# Altium PCB tester.PcbDoc (part 1 of 2) (continued)
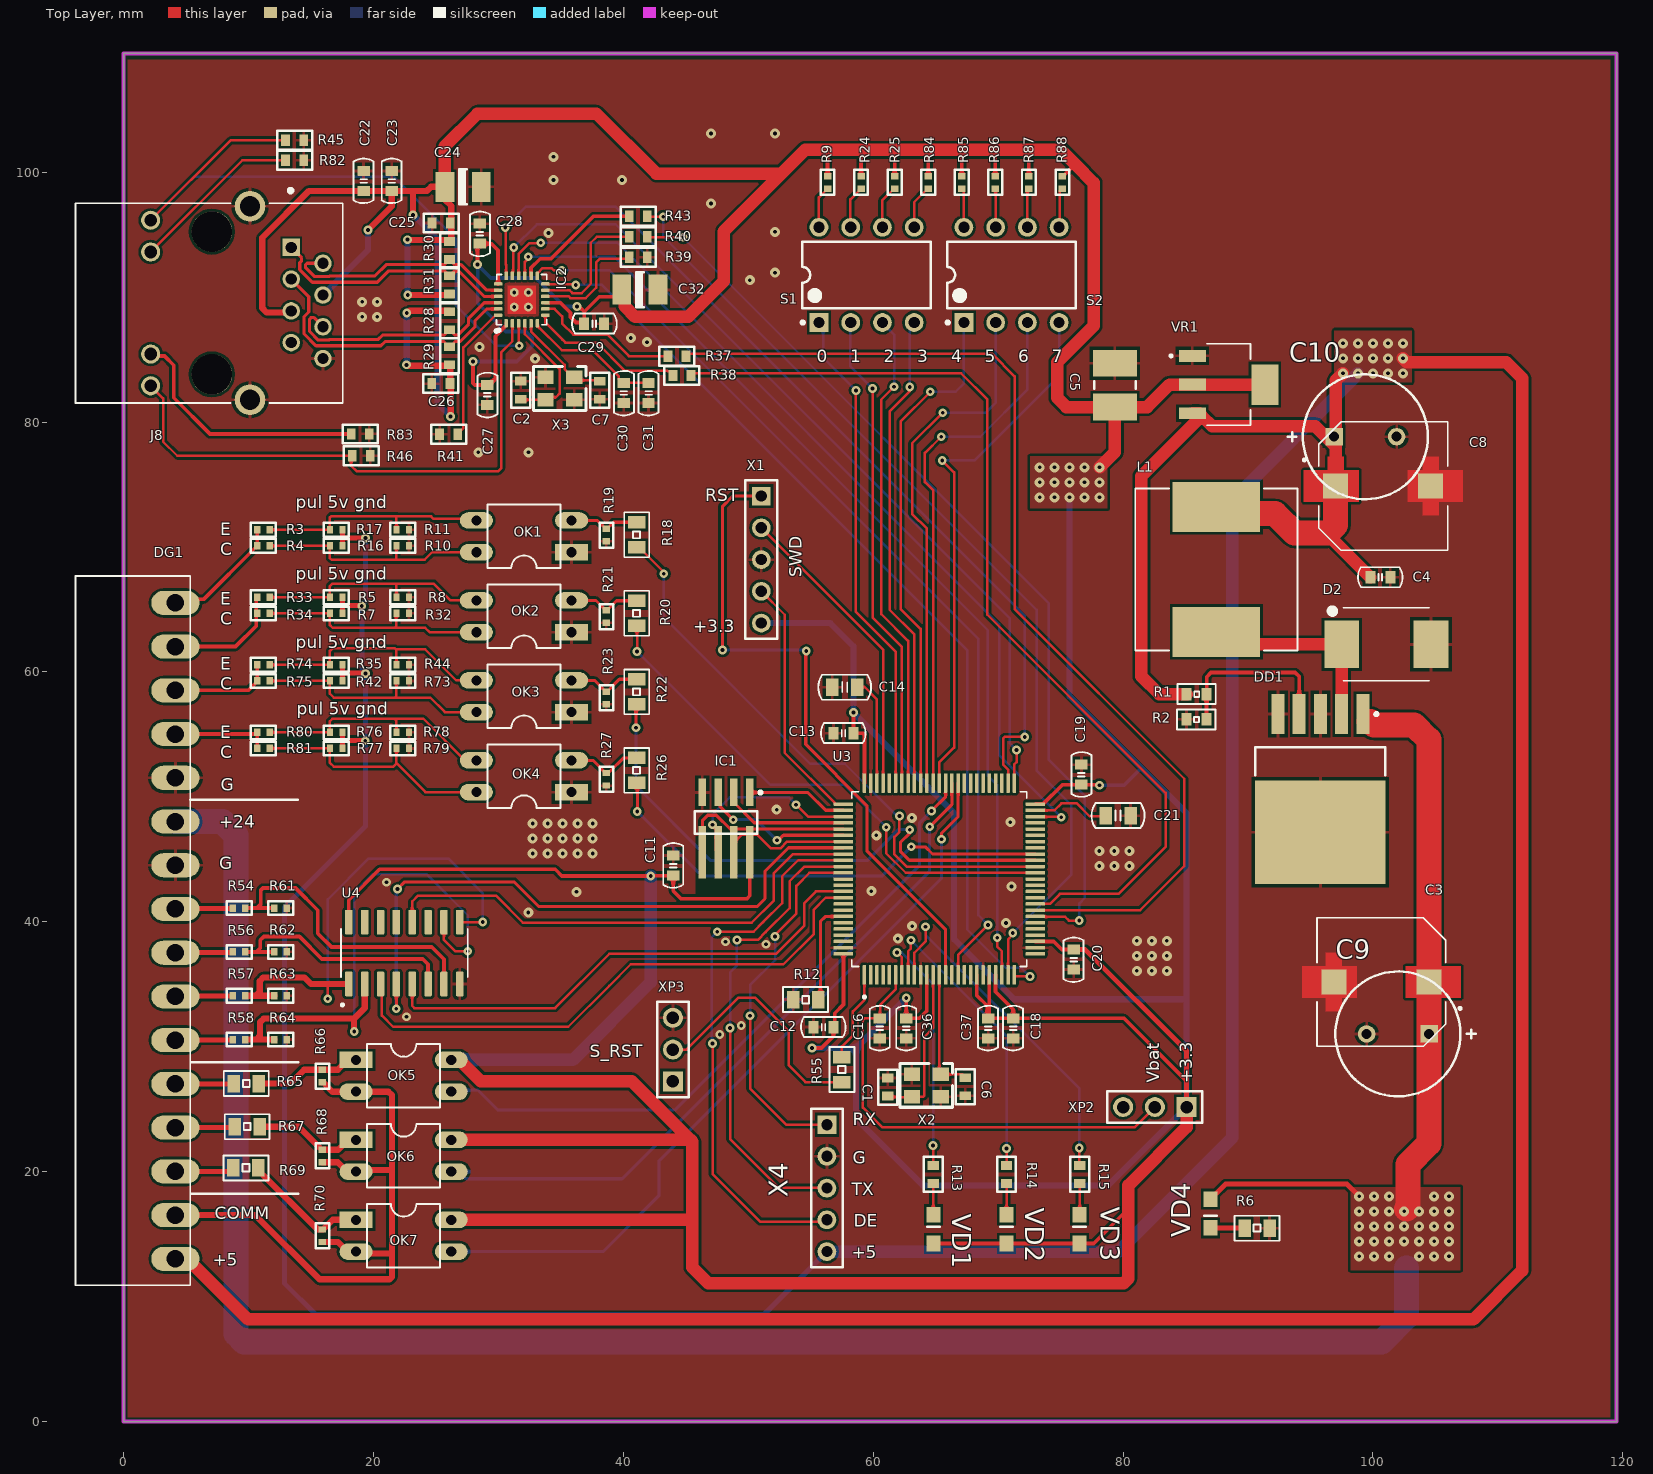
[diagram p0: Top Layer view]
## Components (designator, comment, footprint, x,y, rotation, side; value= is the part's Value field where it differs from the comment) (continued)
R4 "NC" "Resistor 0402" 10.7,70.089 r0 top
R5 "NC" "Resistor 0402" 17.525,65.97 r180 top
R6 "10 k" "Resistor 0805" 89.725,15.475 r0 top
R7 "0 R" "Resistor 0402" 17.525,64.684 r180 top
R8 "3,9 k" "Resistor 0402" 22.85,65.97 r180 top
R9 "10 k" "Resistor 0402" 56.35,99.675 r270 top
R10 "NC" "Resistor 0402" 22.85,70.089 r180 top
R11 "3,9 k" "Resistor 0402" 22.85,71.375 r180 top
R12 "510 R" "Resistor 0805" 55.6,33.775 r180 top
R13 "3 k" RESCHIP0603 64.813,19.775 r270 top
R14 "3 k" RESCHIP0603 70.675,19.775 r270 top
R15 "3 k" RESCHIP0603 76.538,19.775 r270 top
R16 "0 R" "Resistor 0402" 17.525,70.089 r180 top
R17 "NC" "Resistor 0402" 17.525,71.375 r180 top
R18 "100 R" "Resistor 0805" 41.075,69.975 r90 top
R19 "10 k" "Resistor 0402" 38.65,71.45 r270 top
R20 "100 R" "Resistor 0805" 41.075,63.692 r90 top
R21 "10 k" "Resistor 0402" 38.65,64.933 r270 top
R22 "100 R" "Resistor 0805" 41.075,57.408 r90 top
R23 "10 k" "Resistor 0402" 38.65,58.417 r270 top
R24 "10 k" "Resistor 0402" 59.036,99.675 r270 top
R25 "10 k" "Resistor 0402" 61.721,99.675 r270 top
R26 "100 R" "Resistor 0805" 41.075,51.125 r90 top
R27 "10 k" "Resistor 0402" 38.65,51.9 r270 top
R28 "50R" RESCHIP0603 26.1,88.104 r90 top
R29 "50R" RESCHIP0603 26.1,85.3 r270 top
R30 "50R" RESCHIP0603 26.1,93.725 r90 top
R31 "50R" RESCHIP0603 26.1,90.975 r270 top
R32 "NC" "Resistor 0402" 22.85,64.684 r180 top
R33 "0 R" "Resistor 0402" 10.7,65.97 r0 top
R34 "NC" "Resistor 0402" 10.7,64.684 r0 top
R35 "NC" "Resistor 0402" 17.525,60.566 r180 top
R37 "33R" RESCHIP0603 44.3,85.275 r180 top
R38 "33R" RESCHIP0603 44.7,83.725 r180 top
R39 "10 k" RESCHIP0603 41.2,93.183 r180 top
R40 "33R" RESCHIP0603 41.2,94.825 r180 top
R41 "12.1 k" RESCHIP0603 26.025,79.025 r180 top
R42 "0 R" "Resistor 0402" 17.525,59.28 r180 top
R43 "33R" RESCHIP0603 41.2,96.475 r180 top
R44 "3,9 k" "Resistor 0402" 22.85,60.566 r180 top
R45 "1,5k" RESCHIP0603 13.7,102.55 r180 top
R46 "1,5k" RESCHIP0603 19.025,77.3 r180 top
R54 "10 k" "Resistor 0402" 8.75,41.1 r0 top
R55 "510 R" "Resistor 0805" 57.5,27.175 r90 top
R56 "10 k" "Resistor 0402" 8.75,37.592 r0 top
R57 "10 k" "Resistor 0402" 8.75,34.083 r0 top
R58 "10 k" "Resistor 0402" 8.75,30.575 r0 top
R61 "10 k" "Resistor 0402" 13.075,41.1 r180 top
R62 "10 k" "Resistor 0402" 13.075,37.592 r180 top
R63 "10 k" "Resistor 0402" 13.075,34.083 r180 top
R64 "10 k" "Resistor 0402" 13.075,30.575 r180 top
R65 "3,9K" "Resistor 0805" 8.825,27.05 r0 top
R66 "10 k" "Resistor 0402" 15.925,28.15 r270 top
R67 "3,9K" "Resistor 0805" 8.9,23.6 r0 top
R68 "10 k" "Resistor 0402" 15.925,21.763 r270 top
R69 "3,9K" "Resistor 0805" 8.8,20.3 r0 top
R70 "10 k" "Resistor 0402" 15.925,15.375 r270 top
R73 "NC" "Resistor 0402" 22.85,59.28 r180 top
R74 "0 R" "Resistor 0402" 10.7,60.566 r0 top
R75 "NC" "Resistor 0402" 10.7,59.28 r0 top
R76 "NC" "Resistor 0402" 17.525,55.161 r180 top
R77 "0 R" "Resistor 0402" 17.525,53.875 r180 top
R78 "3,9 k" "Resistor 0402" 22.85,55.161 r180 top
R79 "NC" "Resistor 0402" 22.85,53.875 r180 top
R80 "0 R" "Resistor 0402" 10.7,55.161 r0 top
R81 "NC" "Resistor 0402" 10.7,53.875 r0 top
R82 "220 R" RESCHIP0603 13.7,100.95 r180 top
R83 "220 R" RESCHIP0603 18.95,79.05 r180 top
R84 "10 k" "Resistor 0402" 64.407,99.675 r270 top
R85 "10 k" "Resistor 0402" 67.093,99.675 r270 top
R86 "10 k" "Resistor 0402" 69.779,99.675 r270 top
R87 "10 k" "Resistor 0402" 72.464,99.675 r270 top
R88 "10 k" "Resistor 0402" 75.15,99.675 r270 top
S1 "SW-DIP4" DIP-8 59.475,91.775 r90 top value=DS1040-04RN
S2 "SW-DIP4" DIP-8 71.075,91.775 r90 top value=DS1040-04RN
U3 "STM32F407V" QFP50P1600X1600X160-100N 65.3,43.425 r90 top locked
U4 "AM26LV32IDR" SOIC127P600X175-16N 22.475,37.5 r90 top
VD1 "" 0805- 64.837,14.25 r90 top value=Green
VD2 "" 0805- 70.675,14.25 r90 top value=Green
VD3 "" 0805- 76.513,14.25 r90 top value=Green
VD4 "" 0805- 87,17.8 r270 top value=Green
VR1 "LM1117MPX-3.3" VREG_LM1117MPX-3.3 88.45,83 r0 top
X1 "PLS-5" PLS-5-3D 51.05,74.07 r270 top
X2 "12Mhz" XTAL_3.2_2.5 65.402,27.793 r180 top
X3 "25Mhz" XTAL_3.2_2.5 36.075,83.575 r180 top
X4 "PLS-5" PLS-5-3D 56.3,23.765 r270 top
XP2 "NC" ZL201-3 82.55,25.175 r180 top
XP3 "reset setings" ZL201-3 43.975,29.775 r90 top

## Footprints (in the part's own frame and the unit in brackets; to place one, negate y for a bottom-side part, rotate by r counter-clockwise, add the part's x,y. Pads: shape width x height; smd on the part's side, far side on the other; paste and mask are expansions set on the pad)
15EDGRC-3.5-16P [mil]
  oval 152x76 hole 55.12: 1(0,0) 2(0,-137.8) 3(0,-275.59) 4(0,-413.39) 5(0,-551.18) 6(0,-688.98) 7(0,-826.77) 8(0,-964.57) 9(0,-1102.36) 10(0,-1240.16) 11(0,-1377.95) 12(0,-1515.75) 13(0,-1653.54) 14(0,-1791.34) 15(0,-1929.13) 16(0,-2066.93)
  silkscreen extent -315,-2150 47,85, body extent -317,-2151 45,85, height 283
0805- [mm]
  rect 1.25x1.1 smd mask+0.06: A(0,0) K(2.3,0)
  silkscreen extent 1.33,-0.5 1.33,0.5, body extent 0.12,-0.62 2.14,0.63, height 1.1
CAP_EEEFK1V471SV [mm]
  rect 2x2 smd paste-2 mask+0: 1(-3.8,0) 2(3.8,0)
  Top Layer region: -3.15,1.25 -1.95,1.25 -1.95,-1.25 -3.15,-1.25 -3.15,-2.35 -4.45,-2.35 -4.45,-1.25 -6.35,-1.25 -6.35,1.25 -4.45,1.25 -4.45,2.35 -3.15,2.35
  Top Layer region: 4.45,1.25 6.35,1.25 6.35,-1.25 4.45,-1.25 4.45,-2.35 3.15,-2.35 3.15,-1.25 1.95,-1.25 1.95,1.25 3.15,1.25 3.15,2.35 4.45,2.35
  silkscreen extent -6.4,-5.15 5.15,5.15, body extent -5.85,-5.15 5.85,5.15, height 9.5
"CAPACITOR 0603" [mm]
  rect 0.8x1 smd: 1(0,0) 2(1.6,0)
  silkscreen extent -0.97,-0.8 2.6,0.8, body extent -0.01,-0.38 1.64,0.42, height 0.81
"CAPACITOR 0805" [mm]
  rect 1x1.4 smd: 1(0,0) 2(2,0)
  silkscreen extent -1.12,-1 3.12,1, body extent 0.01,-0.6 2.01,0.6, height 1.26
CAPCHIP0603 [mm] "Chip Capacitor, 2-Leads, Body 1,6x0,8mm"
  rect 0.7x0.9 smd mask+0.06: 1(-0.725,0) 2(0.725,0)
  silkscreen extent -1.4,-0.75 1.4,0.75, body extent -0.8,-0.4 0.8,0.4, height 0.9
CAPCHIP1812 [mm] "Chip Capacitor, 2-Leads, Body 4,50x3,20mm,"
  rect 2.15x3.5 smd mask+0.06: 1(-1.75,0) 2(1.75,0)
  silkscreen extent -0.3,-1.65 0.3,1.65, body extent -2.25,-1.6 2.25,1.6, height 1
DIL04 [mil]
  rect 52x104 hole 32: 1(-50,-150)
  oval 52x104 hole 32: 2(50,-150) 3(50,150) 4(-50,150)
  silkscreen extent -100,-115 100,115
DIOM7958X213N [mil]
  rect 110x150 smd: A(140.49,0) C(-140.49,0)
  silkscreen extent -176,-115 135,115
DIP-8 [mm] "DIP; 8 Leads; Row Spacing 7.62 mm; Pitch 2.54 mm"
  rect 1.5x1.5 hole 0.9: 1(-3.81,3.81)
  round 1.5 hole 0.9: 2(-3.81,1.27) 3(-3.81,-1.27) 4(-3.81,-3.81) 5(3.81,-3.81) 6(3.81,-1.27) 7(3.81,1.27) 8(3.81,3.81)
  silkscreen extent -3.93,-5.15 2.65,5.23, body extent -3.6,-5.15 3.6,5.15, height 5.08
"ECR 10x13mm" [mm] "Rad Capacitor 50В-220мкФ"
  rect 1.4x1.4 hole 0.8 mask+0.06: 1(-2.5,0)
  round 1.4 hole 0.8 mask+0.06: 2(2.5,0)
  silkscreen extent -6.22,-5 5,5, body extent -5,-5 4.97,5, height 12.51
HANRUN_HR911105A [mm]
  rect 1.398x1.398 hole 0.89: 1(4.45,-6.35)
  round 1.398 hole 0.89: 2(3.18,-8.89) 3(1.91,-6.35) 4(0.64,-8.89) 5(-0.63,-6.35) 6(-1.9,-8.89) 7(-3.17,-6.35) 8(-4.44,-8.89)
  round 1.53 hole 1.02: 9(6.625,4.9) 10(4.085,4.9) 11(-4.085,4.9) 12(-6.625,4.9)
  round 2.445 hole 1.63: 15(7.745,-3.05) 16(-7.745,-3.05)
  round 3.25 hole 3.25 unplated: ""(-5.715,0) ""(5.715,0)
  silkscreen extent -8,-10.48 9.15,10.92, body extent -8.01,-10.45 7.87,10.95, height 14
LAN8742A [mm]
  rrect50% 0.69x0.28 smd: 1(-0.645,2.5) 2(-0.645,2) 3(-0.645,1.5) 4(-0.645,1) 5(-0.645,0.5) 6(-0.645,0) 13(3.145,0) 14(3.145,0.5) 15(3.145,1) 16(3.145,1.5) 17(3.145,2) 18(3.145,2.5)
  rrect50% 0.28x0.69 smd: 7(0,-0.645) 8(0.5,-0.645) 9(1,-0.645) 10(1.5,-0.645) 11(2,-0.645) 12(2.5,-0.645) 19(2.5,3.145) 20(2,3.145) 21(1.5,3.145) 22(1,3.145) 23(0.5,3.145) 24(0,3.145)
  round 0.7 hole 0.3 mask+0.102: 25(0.653,1.85) 25(0.653,0.716) 25(1.82,0.716) 25(1.82,1.85)
  Top Layer region: 0.109,0.108 2.392,0.108 2.392,2.393 0.109,2.393
  silkscreen extent -1.36,-0.74 3.26,3.38, body extent -0.75,-0.74 3.26,3.27, height 1
NSO8 [mm] "SOIC, 8-Leads, Body 4.9x3.9mm, Pitch 1.27mm"
  rect 2.2x0.6 smd mask+0.06: 1(-2.4,1.905) 2(-2.4,0.635) 3(-2.4,-0.635) 4(-2.4,-1.905)
  rect 4.2x0.6 smd mask+0.06: 5(2.4,-1.905) 6(2.4,-0.635) 7(2.4,0.635) 8(2.4,1.905)
  silkscreen extent -2.52,-2.5 0.9,2.88, body extent -3,-2.45 3,2.45, height 1.7
PLS-5-3D [mm] "Connector; Header; 5 Position"
  rect 1.5x1.5 hole 0.9: 1(0,0)
  round 1.5 hole 0.9: 2(2.54,0) 3(5.08,0) 4(7.62,0) 5(10.16,0)
  silkscreen extent -1.27,-1.27 11.43,1.27, body extent -1.27,-1.27 11.43,1.27, height 8.44
QFP50P1600X1600X160-100N [mm]
  rrect25% 1.56x0.28 smd: 1(-7.68,6) 2(-7.68,5.5) 3(-7.68,5) 4(-7.68,4.5) 5(-7.68,4) 6(-7.68,3.5) 7(-7.68,3) 8(-7.68,2.5) 9(-7.68,2) 10(-7.68,1.5) 11(-7.68,1) 12(-7.68,0.5) 13(-7.68,0) 14(-7.68,-0.5) 15(-7.68,-1) 16(-7.68,-1.5) 17(-7.68,-2) 18(-7.68,-2.5) 19(-7.68,-3) 20(-7.68,-3.5) 21(-7.68,-4) 22(-7.68,-4.5) 23(-7.68,-5) 24(-7.68,-5.5) 25(-7.68,-6) 51(7.68,-6) 52(7.68,-5.5) 53(7.68,-5) 54(7.68,-4.5) 55(7.68,-4) 56(7.68,-3.5) 57(7.68,-3) 58(7.68,-2.5) 59(7.68,-2) 60(7.68,-1.5) 61(7.68,-1) 62(7.68,-0.5) 63(7.68,0) 64(7.68,0.5) 65(7.68,1) 66(7.68,1.5) 67(7.68,2) 68(7.68,2.5) 69(7.68,3) 70(7.68,3.5) 71(7.68,4) 72(7.68,4.5) 73(7.68,5) 74(7.68,5.5) 75(7.68,6)
  rrect25% 0.28x1.56 smd: 26(-6,-7.68) 27(-5.5,-7.68) 28(-5,-7.68) 29(-4.5,-7.68) 30(-4,-7.68) 31(-3.5,-7.68) 32(-3,-7.68) 33(-2.5,-7.68) 34(-2,-7.68) 35(-1.5,-7.68) 36(-1,-7.68) 37(-0.5,-7.68) 38(0,-7.68) 39(0.5,-7.68) 40(1,-7.68) 41(1.5,-7.68) 42(2,-7.68) 43(2.5,-7.68) 44(3,-7.68) 45(3.5,-7.68) 46(4,-7.68) 47(4.5,-7.68) 48(5,-7.68) 49(5.5,-7.68) 50(6,-7.68) 76(6,7.68) 77(5.5,7.68) 78(5,7.68) 79(4.5,7.68) 80(4,7.68) 81(3.5,7.68) 82(3,7.68) 83(2.5,7.68) 84(2,7.68) 85(1.5,7.68) 86(1,7.68) 87(0.5,7.68) 88(0,7.68) 89(-0.5,7.68) 90(-1,7.68) 91(-1.5,7.68) 92(-2,7.68) 93(-2.5,7.68) 94(-3,7.68) 95(-3.5,7.68) 96(-4,7.68) 97(-4.5,7.68) 98(-5,7.68) 99(-5.5,7.68) 100(-6,7.68)
  silkscreen extent -9.54,-7 7,7, body extent -8,-8 8,8, height 1.48
RESCHIP0603 [mm] "Chip Resistor, 2-Leads, Body 1,6x0,8mm"
  rect 0.7x0.9 smd mask+0.06: 1(-0.725,0) 2(0.725,0)
  silkscreen extent -1.4,-0.75 1.4,0.75, body extent -0.8,-0.4 0.8,0.4, height 0.4
"Resistor 0402" [mm]
  rect 0.5x0.6 smd: 1(0,0) 2(1,0)
  silkscreen extent -0.5,-0.55 1.5,0.55, body extent 0,-0.28 1,0.27, height 0.46
"Resistor 0603" [mm]
  rect 0.8x1 smd: 1(0,0) 2(1.6,0)
  silkscreen extent -0.72,-0.8 2.35,0.8, body extent -0.03,-0.45 1.63,0.45, height 0.46
"Resistor 0805" [mm]
  rect 1x1.4 smd: 1(0,0) 2(2,0)
  silkscreen extent -0.8,-1 2.8,1, body extent -0.03,-0.65 2.02,0.65, height 0.41
SOIC127P600X175-16N [mm]
  rrect25% 1.97x0.6 smd: 1(-2.475,4.445) 2(-2.475,3.175) 3(-2.475,1.905) 4(-2.475,0.635) 5(-2.475,-0.635) 6(-2.475,-1.905) 7(-2.475,-3.175) 8(-2.475,-4.445) 9(2.475,-4.445) 10(2.475,-3.175) 11(2.475,-1.905) 12(2.475,-0.635) 13(2.475,0.635) 14(2.475,1.905) 15(2.475,3.175) 16(2.475,4.445)
  silkscreen extent -4.24,-5.06 1.95,5.06, body extent -3,-4.95 3,4.95, height 1.75
SRR1208 [mm]
  rect 4x7 smd: P$1(-5,0) P$2(5,0)
  silkscreen extent -6.5,-6.5 6.5,6.5
"TECAP B" [mm] "Chip Capacitor, 2-Leads, Body 3,5x2,8mm"
  rect 1.5x2.4 smd mask+0.06: 1(-1.45,0) 2(1.45,0)
  silkscreen extent -0.3,-1.4 0.3,1.4, body extent -1.75,-1.4 1.75,1.4, height 1.92
TO-263 [mm] "D2-PAK, 6-Leads, Body 8.6x10.2mm, Pitch 1.7mm, Lead Span 14.1mm"
  rect 3.2x1.05 smd mask+0.06: 1(-6,3.4) 2(-6,1.7) 3(-6,0) 4(-6,-1.7) 5(-6,-3.4)
  rect 8.3x10.45 smd mask+0.06: 6(3.45,0)
  silkscreen extent -6.12,-5.2 -1.1,5.2, body extent -7.18,-5.08 7.46,5.08, height 4.57
VREG_LM1117MPX-3.3 [mm]
  rect 2.15x0.95 smd: 1(-2.9,2.3) 2(-2.9,0) 3(-2.9,-2.3)
  rect 2.15x3.25 smd: 4(2.9,0)
  silkscreen extent -4.7,-3.25 1.75,3.25, body extent -3.5,-3.25 3.5,3.25, height 1.8
XTAL_3.2_2.5 [mm]
  rect 1.3x1.1 smd: 1(0,0) 2(2.3,0) 3(2.3,1.8) 4(0,1.8)
  silkscreen extent -0.94,-0.86 3.25,2.64, body extent -0.46,-0.34 2.74,2.16, height 0.82
ZL201-3 [mm] "Connector; PLS-3; pitch 2.54"
  rect 1.6x1.6 hole 1 mask+0.06: 1(-2.54,0)
  round 1.6 hole 1 mask+0.06: 2(0,0) 3(2.54,0)
  silkscreen extent -3.81,-1.27 3.81,1.27, body extent -3.81,-1.27 3.81,1.27, height 8.44

## Part data
C1 C2 C6 C7 C25 C26: library part "Cap C", "Керамическтй конденсатор SMD C0603", Package=0603
  C25 C26: Type=0603
C3 C8: "470ÂµF 35V Aluminum Electrolytic Capacitors Radial, Can - SMD 80mOhm @ 100kHz 2000 Hrs @ 105Â°C", Availability="In Stock", Check_prices=https://www.snapeda.com/parts/EEE-FK1V471SV/Panasonic/view-part/?ref=eda, MF="Panasonic Electronic Components", MP=EEE-FK1V471SV, Package=EEEFK1V471SV, Price=None, Purchase-URL=https://pricing.snapeda.com/search/part/EEE-FK1V471SV/?ref=eda, SnapEDA_Link=https://www.snapeda.com/parts/EEE-FK1V471SV/Panasonic/view-part/?ref=snap, Type=SMD
C4 C11 C12 C13 C16 C18 C19 C20 C22 C23 C27 C28 C29 C30 C31 C36 C37: library part Capasitor, Package=0603
C5: "Ceramic Capacitor", Nominal_voltage_V={Nominal_voltage_V}, Package=1812, Tolerance_Percent={Tolerance_Percent}, Body={Body}, Class="Электронные компоненты", Installation={Installation}, Ordering_Information={Ordering_Information}, Pins={Pins}, SubClass=Конденсаторы, TKE={TKE}
C9 C10: library part "Cap Pol", "Polarized Capacitor (Rad)", Package=10x13, Voltage="220uF   50", Type=Type, URL=http://www.hitano.com.tw/PDF/ECR_081225.pdf
C14 C21: library part Capasitor, Package=0805
C24: "Solid Tantalum Surface Mount Capacitors", Package="TECAP B", Voltage=16v, Type=Type
C32: library part "Cap T", "Solid Tantalum Surface Mount Capacitors", Package="TECAP B", Voltage=16V, Type="TECAP B"
D2: "Diode Schottky 40V 5A Surface Mount SMC", Package=0603, Availability=Unavailable, MF="ON Semiconductor", MP=MBRS540T3G, Price=None, SnapEDA_Link=https://www.snapeda.com/parts/MBRS540T3G/ON%20Semiconductor/view-part/78777/?ref=snap
DD1: "SIMPLE SWITCHER® Power Converter 150 KHz 3A Step-Down Voltage Regulator, 5-pin TO-263", Manufacturer="National Semiconductor", Package="TO-263 KTT", ComponentLink1URL=http://www.national.com/ds/LM/LM2596.pdf, ComponentLink2URL=http://www.national.com/pf/LM/LM2596.html, ComponentLink3URL=http://www.national.com/packaging/folders/ts5b.html, CompType=Switcher, PartNumber=LM2596S-ADJ, Published=13.04.2012, Publisher="Reukov A.V."
IC1: library part W25Q128FVEIG, "128M-bit Serial Flash Memory with uniform 4KB sectors and Dual/Quad SPI and QPI", Package=VSOP8
IC2: Package=VQFN-24
J8: "HR911105A Ethernet Interface Arduino Platform Evaluation Expansion Board", Package=None, Availability=Unavailable, MF=DFRobot, MP=HR911105A, Price=None, SnapEDA_Link=https://www.snapeda.com/parts/HR911105A/DFRobot/view-part/214807/?ref=snap
L1: "6.5ÂµH Shielded Wirewound Inductor 6A 18mOhm Max Nonstandard", Availability=Unavailable, MF=Bourns, MP=SRR1208-6R5ML, Package=SRR1208-6R5ML, Price=None, SnapEDA_Link=https://www.snapeda.com/parts/SRR1208-6R5ML/Bourns/view-part/353452/?ref=snap
OK1 OK2 OK3 OK4 OK5 OK6 OK7: "#10-32 Round Head Machine Screw Slotted Drive Nylon", Package="DIP-4 Sharp", Availability=Unavailable, MF="Essentra Components", MP=PC814, Price=None, SnapEDA_Link=https://www.snapeda.com/parts/PC814/Essentra%20Components/view-part/624045/?ref=snap
R1 R2: library part Resistor, Package=0603
R3 R4 R5 R7 R8 R9 R10 R11 R16 R17 R19 R21 R23 R24 R25 R27 R32 R33 R34 R35 R42 R44 R54 R56 R57 R58 R61 R62 R63 R64 R66 R68 R70 R73 R74 R75 R76 R77 R78 R79 R80 R81 R84 R85 R86 R87 R88: library part Resistor, Package=0402
R6 R12 R18 R20 R22 R26 R55 R65 R67 R69: library part Resistor, Package=0805
R13 R14 R15: library part Res, "Resistor", Package=0603, Tolerance_Percent={Tolerance_Percent}, CompType=Resistor, Pins=2
R28 R29 R30 R31 R37 R38 R39 R40 R41 R43 R45 R46: library part Res, "Резистор", Package=0603, Power_W={Power_W}, Tolerance_Percent={Tolerance_Percent}, Body={Body}, Class="Электронные компоненты", Installation={Installation}, Ordering_Information={Ordering_Information}, Pins=2, SubClass=Резисторы
R82 R83: library part Res, "Резистор SMD R0603", Package=0603, Tolerance=%, PWR=Value, Type=0603
S1 S2: "DIP Switch", Package=SW-DIP8, LatestRevisionDate=17-Jul-2002, LatestRevisionNote="Re-released for DXP Platform.", PackageReference=DIP-8, Published=24-Mar-1999, Publisher="Altium Limited"
U3: library part STM32F303V, "ARMÂ® CortexÂ®-M4 STM32F3 Microcontroller IC 32-Bit 72MHz 100-LQFP (14x14)", Package="LQFP-100 STMicroelectronics", Availability=Unavailable, MF=STMicroelectronics, MP=STM32F303V, Price=None
U4: "Low-Voltage High-Speed Quadruple Differential Line Receiver 16-SOIC -40 to 85", Package="SOIC-16 Texas Instruments", Availability=Good, Check_prices=https://www.snapeda.com/parts/AM26LV32IDR/Texas%20Instruments/view-part/95750/?ref=eda, MF="Texas Instruments", MP=AM26LV32IDR, Price=None, Purchase-URL=https://pricing.snapeda.com/search/part/AM26LV32IDR/?ref=eda, SnapEDA_Link=https://www.snapeda.com/parts/AM26LV32IDR/Texas%20Instruments/view-part/95750/?ref=snap
VD1 VD2 VD3 VD4: library part "LED SMD", Package=0805, CompType=LED, Pins=2
  VD1 VD4: Note=Read
  VD2: Note=Green
  VD3: Note=Blue
VR1: "800-mA 15-V linear voltage regulator", Package="SOT-223-4 Texas Instruments", Availability="In Stock", Check_prices=https://www.snapeda.com/parts/LM1117MPX-3.3/Texas+Instruments/view-part/?ref=eda, MF="Texas Instruments", MP=LM1117MPX-3.3, Price=None, Purchase-URL=https://pricing.snapeda.com/search/part/LM1117MPX-3.3/?ref=eda, SnapEDA_Link=https://www.snapeda.com/parts/LM1117MPX-3.3/Texas+Instruments/view-part/?ref=snap
X1 X4: "Header, 5-Pin", LatestRevisionDate=17-Jul-2002, LatestRevisionNote="Re-released for DXP Platform.", Package=PLS-5, Publisher="Altium Limited"
X2 X3: library part "XTAL 2-pin", Package="SMD 3.3_2.5"
XP2: library part "Select jump", Package=PLS-3, Class="Электронные компоненты", Installation=DIP, Ordering_Information={Ordering_Information}, Pins=3, Pitch_mm={Pitch_mm}, SubClass=Разъемы, Type_of_connector={Type_of_connector}
XP3: library part "Select jump", "Ter120", Package=PLS-3, Class="Электронные компоненты", Installation=DIP, Ordering_Information={Ordering_Information}, Pins=3, Pitch_mm={Pitch_mm}, SubClass=Разъемы, Type_of_connector={Type_of_connector}
DG1: Package=15EDGRC-3.5-16P

## Via types
v1: diameter 0.8, hole 0.3, Top Layer to Bottom Layer, tented both sides, 123 vias
v2: diameter 0.7, hole 0.3, Top Layer to Bottom Layer, tented both sides, 84 vias
v3: diameter 0.7, hole 0.3, Top Layer to Bottom Layer, 1 vias

## Nets (pads, with @x,y where several pads share a name; then routed paths per layer and width w, separated by ;. In a path a pad name is that pad's centre, name@x,y a point inside that pad or via, vN(x,y) a via of type N, cw(c..) or ccw(c..) an arc to the next point about the centre after c; other vN are vias at no path point)
+3.3v: C5.2 C11.1 C12.1 C13.1 C18.2 C19.1 C20.1 C22.1 C23.1 C24.1 C25.1 C26.1 C27.1 C28.2 C29.1 C32.1 C36.2 C37.2 IC1.8 IC2.1 IC2.9 IC2.19 J8.4 J8.5 OK5.4 OK6.4 OK7.4 R9.1 R24.1 R25.1 R28.2 R29.2 R30.2 R31.2 R84.1 R85.1 R86.1 R87.1 R88.1 U3.11 U3.19 U3.21 U3.22 U3.28 U3.50 U3.75 U3.100 U4.16 VD1.A VD2.A VD3.A VR1.2 VR1.4 X1.5 XP2.1 | length 713.7
  Top Layer w0.3: U4.16@18.03,39.975 18.03,41.73 20.5,44.2 34.55,44.2 35.075,43.675 v2(42.2,43.675) 42.212,43.687 43.987,43.687 C11.1@44,43.7 44,42.475 44.625,41.85 49.9,41.85 50.13,42.08 IC1.8@50.13,45.55 ; v2(27.975,84.85) 27.975,83.107 28.121,82.961 29.111,82.961 C27.1@29.125,82.975 ; v2(28.325,92.6) 28.325,94.075 C28.2@28.525,94.275 29.45,94.275 29.98,93.745 IC2.19@29.98,91.05 ; C27.1@29.325,83.025 29.775,83.475 29.775,86.87 30.625,87.72 IC2.1@30.625,87.905 ; IC2.9@33.77,89.55 34.975,89.55 35.775,88.75 35.775,88.411 36.211,87.976 36.774,87.976 C29.1@36.875,87.875 36.875,88.825 ; v2(36.3,89.25) 36.408,89.25 36.578,89.08 36.62,89.08 36.875,88.825 ; C32.1@39.875,90.6 39.296,90.021 38.071,90.021 36.875,88.825 ; v2(55.1,29.9) 55.875,29.9 56.825,30.85 C12.1@56.825,31.575 56.925,31.675 56.925,32.675 57.62,33.37 U3.100@57.62,37.425 ; R9.1@56.35,99.675 56.35,101.675 56.45,101.775 ; v2(58.425,56.75) C13.1@58.425,55.1 59.154,55.1 59.3,54.954 U3.75@59.3,51.105 ; R24.1@59.036,99.675 59.036,101.736 59.075,101.775 ; 61.65,101.775 61.721,101.704 R25.1@61.721,99.675 ; v2(62.65,33.9) C36.2@62.65,32.275 63.7,32.275 64.3,32.875 U3.11@64.3,35.745 ; 64.4,101.775 64.407,101.768 R84.1@64.407,99.675 ; VD1.A@64.837,14.25 VD2.A@70.675,14.25 VD3.A@76.513,14.25 77.65,14.25 80.425,17.025 ; 67.075,101.775 67.093,101.757 R85.1@67.093,99.675 ; U3.19@68.3,35.745 68.3,34.1 69.125,33.275 69.125,32.355 C37.2@69.205,32.275 ; U3.21@69.3,35.745 69.3,32.37 C37.2@69.205,32.275 ; 69.725,101.775 69.779,101.721 R86.1@69.779,99.675 ; U3.22@69.8,35.745 69.8,34.4 71.205,32.995 C18.2@71.205,32.275 ; 72.375,101.775 72.464,101.686 R87.1@72.464,99.675 ; U3.28@72.98,38.425 74.45,38.425 75.1,37.775 C20.1@76.05,37.775 ; U3.50@72.98,49.425 73.6,49.425 75.15,50.975 C19.1@76.675,50.975 78.075,50.975 v3(78.125,50.925) ; R88.1@75.15,99.675 75.2,99.675 76.125,100.6 76.2,100.6 ; 85.09,27.26 80.075,32.275 C18.2@71.205,32.275 ; C37.2@69.205,32.275 C18.2@71.205,32.275
  Top Layer w0.4: C20.1@76.05,37.775 76.975,37.775 85.09,29.66 85.09,27.26 XP2.1@85.09,25.175
  Top Layer w0.5: J8.5@13.425,88.895 13.287,88.757 11.468,88.757 11.1,89.125 11.1,94.75 14.84,98.49 C22.1@19.215,98.49 C23.1@21.465,98.49 ; v2(19.575,95.375) 21.465,97.265 C23.1@21.465,98.49 ; v2(22.65,84.575) 22.704,84.575 22.779,84.5 26.1,84.5 26.15,84.45 26.15,83.125 26.2,83.075 26.188,83.062 26.188,80.463 v2(26.175,80.45) ; v2(22.675,88.725) 22.729,88.725 22.908,88.904 R28.2@26.1,88.904 ; v2(22.725,94.6) 22.762,94.562 26.062,94.562 26.1,94.525 26.125,94.525 26.225,94.625 26.225,95.925 26.225,97.3 25.725,97.8 C24.1@25.725,98.825 24.619,98.825 24.284,98.49 23.025,98.49 ; v2(22.75,90.175) R31.2@26.1,90.175 ; v2(23.175,96.575) 23.175,98.34 23.025,98.49 ; C23.1@21.465,98.49 23.025,98.49
  Top Layer w1: C24.1@25.725,98.825 25.725,102.075 28.325,104.675 37.85,104.675 42.65,99.875 52.65,99.875 ; OK7.4@26.235,16.145 45.385,16.145 45.53,16 ; OK6.4@26.235,22.545 45.385,22.545 ; OK5.4@26.235,28.945 26.895,28.945 28.605,27.235 40.695,27.235 45.385,22.545 ; C32.1@39.875,90.6 40.125,90.35 40.125,89.25 40.95,88.425 45.2,88.425 48.025,91.25 48.025,95.25 52.65,99.875 ; v1(78.125,76.375) 79.35,77.6 C5.2@79.35,81.2 ; XP2.1@85.09,25.175 85.09,23.565 80.425,18.9 80.425,17.025 80.425,11.436 80.074,11.084 46.786,11.084 45.53,12.34 45.53,16 ; VR1.4@91.35,83 VR1.2@85.55,83 83.725,83 81.925,81.2 C5.2@79.35,81.2 ; 45.385,22.545 45.53,22.4 45.53,16 ; 52.65,99.875 54.55,101.775 56.45,101.775 59.075,101.775 61.65,101.775 64.4,101.775 67.075,101.775 69.725,101.775 72.375,101.775 75.025,101.775 76.2,100.6 77.65,99.15 77.65,87.7 74.75,84.8 74.75,81.925 75.475,81.2 C5.2@79.35,81.2
  Bottom Layer w0.3: v2(27.975,84.85) 31.475,84.85 32.725,86.1 32.725,86.7 32.175,87.25 30.6,87.25 28.35,89.5 v2@28.35,92.575 ; v2(28.325,92.6) v2@28.35,92.575 ; v2(36.3,89.25) 35.275,89.25 33,91.525 29.4,91.525 v2@28.35,92.575 ; v3(78.125,50.925) 80.075,50.925 81.462,52.313
  Bottom Layer w0.5: J8.4@15.965,90.165 19.575,93.775 v2(19.575,95.375) ; v2(22.65,84.575) 22.662,84.587 22.662,88.712 v2(22.675,88.725) ; v2(22.725,94.6) 22.738,94.587 22.738,90.188 v2(22.75,90.175) ; v2(23.175,96.575) 25.15,94.6 25.15,81.475 v2(26.175,80.45) ; X1.5@51.05,63.91 56.565,63.91 58.425,62.05 v2(58.425,56.75) 66.475,48.7 66.475,38.6 71.275,33.8 85.09,33.8 ; v2(55.1,29.9) 58.65,29.9 ; v2(62.65,33.9) 58.65,29.9 ; v1(75.725,73.975) 75.725,58.05 81.462,52.313 85.09,48.685 85.09,33.8 ; 58.65,29.9 58.65,24.225 63.975,18.9 78.815,18.9 XP2.1@85.09,25.175 85.09,33.8
  Bottom Layer w1: OK5.4@26.235,28.945 35.97,28.945 42.2,35.175 v2(42.2,43.675)
  other v1: 73.325,73.975 74.525,73.975 76.925,73.975 78.125,73.975 73.325,75.175 74.525,75.175 75.725,75.175 76.925,75.175 78.125,75.175 73.325,76.375 74.525,76.375 75.725,76.375 76.925,76.375
+5v: C4.2 C8.1 C10.1 DG1.16 L1.P$2 R1.2 R5.1 R7.1 R16.1 R17.1 R35.1 R42.1 R76.1 R77.1 VR1.3 X4.5 | length 483.7
  Top Layer w0.4: R77.1@17.525,53.875 17.525,54.518 ; R76.1@17.525,55.161 17.525,54.518 ; R42.1@17.525,59.28 17.525,59.923 ; R35.1@17.525,60.566 17.525,59.923 ; R7.1@17.525,64.684 17.525,65.327 ; R5.1@17.525,65.97 17.525,65.327 ; R16.1@17.525,70.089 17.525,70.732 ; R17.1@17.525,71.375 17.525,70.732 ; v2(19.075,65.275) 19.023,65.327 17.525,65.327 ; v2(19.35,54.5) 19.332,54.518 17.525,54.518 ; v2(19.375,59.875) 19.327,59.923 17.525,59.923 ; v2(19.375,70.725) 19.368,70.732 17.525,70.732
  Top Layer w1: DG1.16@4.155,13.025 5.12,13.025 9.97,8.175 108.05,8.175 111.95,12.075 111.95,83.514 110.664,84.8 102.7,84.8 v1(102.4,85.1) ; R1.2@85.1,58.225 82.9,58.225 81.475,59.65 81.475,75.675 VR1.3@86.3,80.5 ; VR1.3@85.55,80.7 86.1,80.7 VR1.3@86.3,80.5 ; 96.381,71.127 96.381,70.994 C4.2@99.8,67.575 ; C8.1@97.025,74.875 97.025,78.025 ; v1(97.6,83.9) 97.025,83.325 97.025,78.025 ; VR1.3@86.3,80.5 87.125,79.675 95.375,79.675 97.025,78.025
  Top Layer w2: L1.P$2@87.475,73.2 88.009,72.666 92.175,72.666 93.714,71.127 96.381,71.127 97.025,71.772 C8.1@97.025,74.875
  Bottom Layer w0.4: v2(19.375,70.725) 19.375,65.656 19.075,65.356 v2(19.075,65.275) 19.075,60.256 19.375,59.956 v2(19.375,59.875) 19.363,59.863 19.363,54.513 v2(19.35,54.5) 19.35,47.625 12.875,41.15 12.875,11.075 15.375,8.575 51.27,8.575 X4.5@56.3,13.605
  Bottom Layer w1: X4.5@56.3,13.605 79.63,13.605 88.75,22.725 88.75,73.777 98.5,83.527 98.5,83.6 v1(98.8,83.9)
  other v1: 100,83.9 101.2,83.9 102.4,83.9 97.6,85.1 98.8,85.1 100,85.1 101.2,85.1 97.6,86.3 98.8,86.3 100,86.3 101.2,86.3 102.4,86.3
CW_CCW: R22.1 U3.41 | length 45.1
  Top Layer w0.25: v2(41.025,55.525) 41.025,57.358 R22.1@41.075,57.408 ; v2(62.925,47.375) 62.925,47.1 62.175,46.35 62.175,45.65 62.9,44.925 U3.41@72.98,44.925
  Bottom Layer w0.25: v2(41.025,55.525) 41.025,50.875 47,44.9 59.525,44.9 62,47.375 v2(62.925,47.375)
DE: U3.85 X4.4 | length 44.1
  Top Layer w0.2: v2(47.15,30.25) 47.15,19.8 50.95,16 56.155,16 X4.4@56.3,16.145 ; v2(47.525,39.2) 50.425,39.2 51.2,39.975 52.725,41.5 52.725,43.65 54,44.925 U3.85@57.62,44.925
  Bottom Layer w0.2: v2(47.15,30.25) 47.15,30.631 47.075,30.706 47.075,38.75 v2(47.525,39.2)
Eth_NRST: IC2.15 U3.23 | length 78.9
  Top Layer w0.2: IC2.15@32.125,91.695 32.125,92.815 32.4,93.09 v2(32.4,93.225) ; v2(69.925,38.725) 69.925,38.015 70.3,37.64 U3.23@70.3,35.745
  Bottom Layer w0.2: v2(32.4,93.225) 39.3,93.225 69.175,63.35 69.175,51.7 69.925,50.95 v2(69.925,38.725)
Frequency: R26.1 U3.42 | length 37.5
  Top Layer w0.25: R26.1@41.075,51.125 41.125,51.075 v2(41.125,48.825) ; v2(63.05,46) 64.175,46 64.75,45.425 U3.42@72.98,45.425
  Bottom Layer w0.25: v2(41.125,48.825) 46.275,43.675 60.725,43.675 v2(63.05,46)
GND: C1.1 C2.1 C3.2 C4.1 C5.1 C6.1 C7.1 C8.2 C9.2 C10.2 C11.2 C12.2 C13.2 C14.2 C16.1 C18.1 C19.2 C20.2 C21.1 C22.2 C23.2 C24.2 C25.2 C26.2 C27.2 C28.1 C29.2 C30.2 C31.2 C32.2 C36.1 C37.1 D2.A DD1.3 DD1.5 DD1.6 DG1.5 DG1.7 IC1.4 IC2.25 J8.8 J8.15 J8.16 OK1.1 OK2.1 OK3.1 OK4.1 R2.2 R6.2 R8.1 R10.1 R11.1 R12.2 R19.2 R21.2 R23.2 R27.2 R32.1 R39.1 R41.2 R44.1 R45.1 R46.1 R61.1 R62.1 R63.1 R64.1 R73.1 R78.1 R79.1 R82.1 R83.1 U3.10 U3.20 U3.27 U3.74 U3.99 U4.8 VR1.1 X1.3 X2.2 X2.4 X3.2 X3.4 X4.2 XP3.3
  other v1: 81.1,36.075 82.3,36.075 83.5,36.075 81.1,37.275 82.3,37.275 83.5,37.275 81.1,38.475 82.3,38.475 83.5,38.475 61.975,38.65 63.125,39.65 70.625,39.9 32.4,40.75 36.25,42.4 59.85,42.45 71.075,42.825 78.1,44.475 79.3,44.475 80.5,44.475 32.75,45.475 33.95,45.475 35.15,45.475 36.35,45.475 37.55,45.475 78.1,45.675 79.3,45.675 80.5,45.675 32.75,46.675 33.95,46.675 35.15,46.675 36.35,46.675 37.55,46.675 60.25,46.925 32.75,47.875 33.95,47.875 35.15,47.875 36.35,47.875 37.55,47.875 70.975,47.975 63.1,48.325 52.275,48.975 28.4,77.575 32.425,77.575 32.95,85.075 28.5,86 41.893,86.393 40.6,86.725 19.1,88.425 20.3,88.425 19.1,89.625 20.3,89.625 50.125,91.35 52.15,91.95 34.025,95.125 52.15,95.225 47.025,97.5 34.425,99.375 39.9,99.375 34.425,101.225 47.025,103.1 52.15,103.1
  other v2: 47.725,30.975 49.45,31.7 22.65,32.4 51.425,38.2 48.175,38.403 21.05,43.175